# Altium PCB AL1000.PcbDoc (part 8 of 8) (continued)
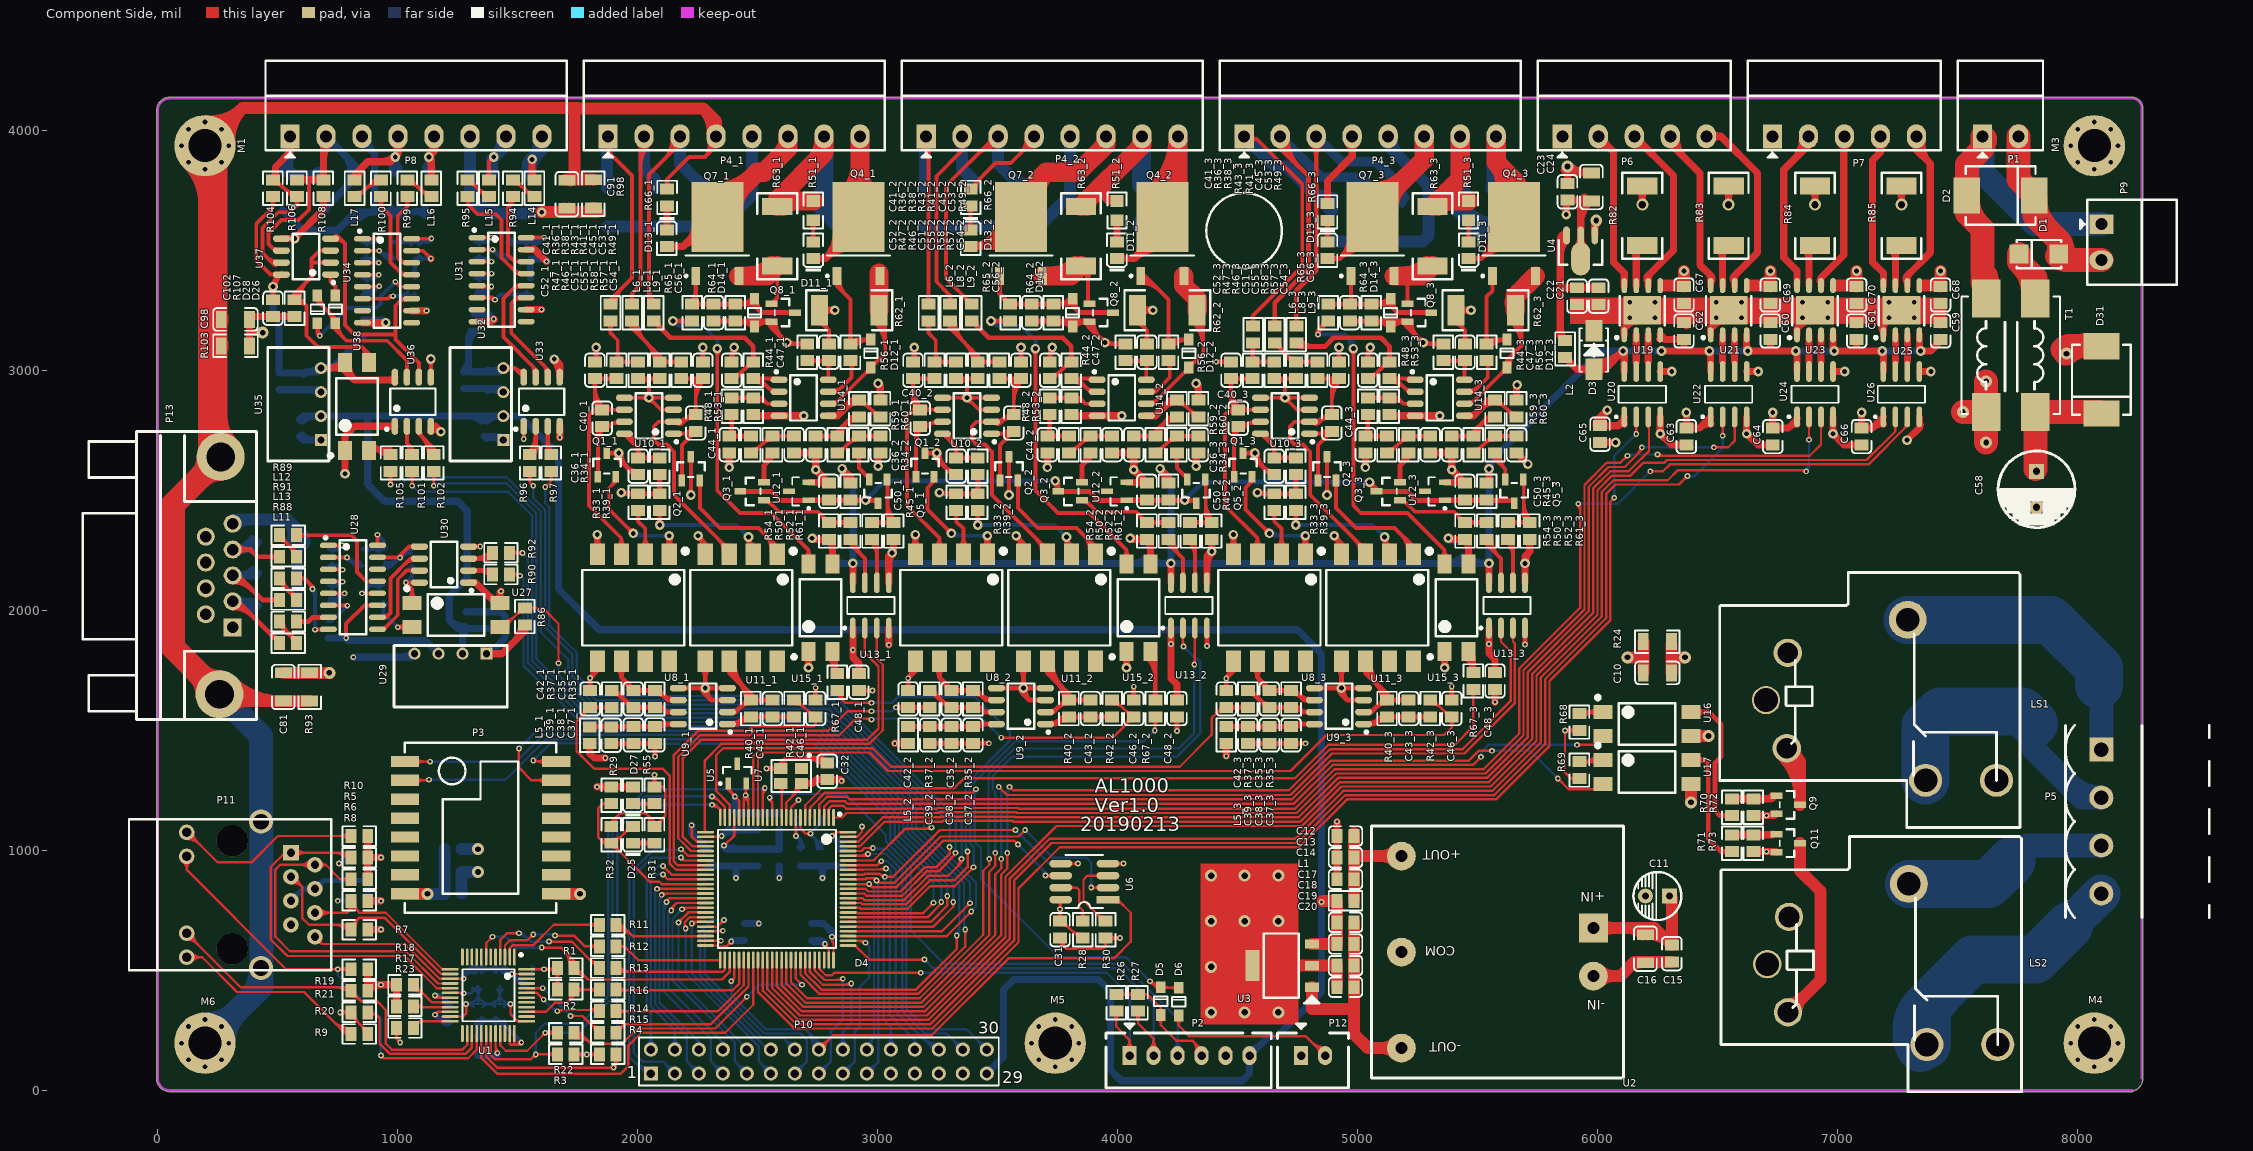
[diagram p0: Component Side view]
## Nets (pads, with @x,y where several pads share a name; then routed paths per layer and width w, separated by ;. In a path a pad name is that pad's centre, name@x,y a point inside that pad or via, vN(x,y) a via of type N, cw(c..) or ccw(c..) an arc to the next point about the centre after c; other vN are vias at no path point) (continued)
  Solder Side w30: C89.2@1275,2995.04 1295,3015.04 1295,3140 C85.1@1320,3165 ; C89.2@1275.56,3000.58 ccw(c1228.64,3047.51) 1295,3047.51 ; C89.2@1295,2995.04 C86.1@1365,2995.04 ; 1295,3100.46 cw(c1378.43,3100.46) C85.1@1319.44,3159.46 ; 1295,3133.66 cw(c1318.9,3133.66) C85.1@1315.13,3157.26 ; 1296.21,3141.21 ccw(c1272.42,3165) C85.1@1306.06,3165 ; C86.1@1370,2995.04 1425.04,2995.04 U32.4@1440,3010 ; C86.1@1375.02,3001.82 ccw(c1388.29,3024.81) 1395.16,2999.17 ; C86.1@1379.74,2995.04 ccw(c1379.74,3070.26) U32.4@1432.93,3017.07
RS5V3: C93.1 C95.1 C96.1 C100.1 C101.2 C102.2 R104.1 U34.16 U35.4 U36.8 U37.8 U38.4 | length 2761.4
  Component Side w16: C102.2@469.51,3305.53 ccw(c444.19,3330.85) 480,3330.85 ccw(c515.81,3330.85) C102.2@490.49,3305.53 ; R104.1@469.51,3714.47 cw(c444.19,3689.15) 480,3689.15 cw(c515.81,3689.15) R104.1@490.49,3714.47 ; v2@471.51,3341.51 cw(c451.03,3321.03) 480,3321.03 cw(c508.97,3321.03) v2@488.49,3341.51 ; v2@471.75,3341.28 cw(c457.77,3326.5) 477.42,3321.24 ; C102.2@480,3295.04 v2(480,3350) v2@480,3364.72 ; R104.1@480,3724.96 480,3680 410,3610 410,3460 470,3400 U37.8@515.28,3400 v2@480,3364.72 ; 482.58,3321.24 cw(c502.23,3326.5) v2@488.25,3341.28 ; 486.44,3375.88 ccw(c499.14,3368.56) v2@488.61,3358.35 ; U37.8@488.12,3398.24 cw(c456.59,3388.13) v2@480,3364.73 ; U37.8@489.54,3395.91 ccw(c479.67,3386.05) 479.67,3400 ccw(c479.67,3413.95) U37.8@489.54,3404.09 ; v2@492,3350 cw(c556.52,3350) U37.8@510.9,3395.62 ; 498.55,3383.27 ccw(c484.68,3397.14) U37.8@503.36,3403.12 ; U37.8@517.09,3401.82 ccw(c512.78,3406.14) U37.8@518.59,3408 ; U36.8@987.99,2972.36 U36.8@987.99,2973.7 ; U34.16@1057.72,3549.41 1139.41,3549.41 v1(1140,3550)
  Component Side w30: U35.4@680,3010 770,3010 820,2960 ; 712.99,3010 ccw(c712.99,3090.24) U38.4@769.73,3033.5 ; U38.4@794.53,3022.98 ccw(c881.52,3021.53) 820,2960 ; 968.51,2960 cw(c968.51,2931.22) U36.8@988.86,2951.57 ; U36.8@987.99,2972.36 975.63,2960 820,2960
  Solder Side w16: C93.1@982.99,3536.38 C96.1@1072.99,3536.38 1126.38,3536.38 v1(1140,3550) ; C93.1@999.58,3525.89 cw(c1024.91,3500.56) 1024.91,3536.38 cw(c1024.91,3572.19) C93.1@999.58,3546.87 ; C96.1@1056.4,3525.89 ccw(c1031.08,3500.56) 1031.08,3536.38 ccw(c1031.08,3572.19) C96.1@1056.4,3546.87 ; C96.1@1089.58,3525.89 cw(c1114.91,3500.56) 1114.91,3536.38 cw(c1114.91,3572.19) C96.1@1089.58,3546.87 ; C96.1@1097.46,3536.38 ccw(c1097.46,3592.54) v1@1137.17,3552.83
  Solder Side w30: v2(480,3350) 480,3250 505,3225 C101.2@505,2990.04 C100.1@595,2990.04 620,2990.04 625,2995.04 ; C100.1@606.64,2984.5 cw(c632.09,2959.05) 632.09,2995.04 ; C100.1@607.63,2985.71 cw(c625,2974.21) 625,2995.04 ; U35.4@672.47,3016.58 cw(c625,3058.11) 625,2995.04 ; 831.21,3116.17 ccw(c807.42,3139.96) C95.1@841.06,3139.96 ; C95.1@855,3139.96 725.04,3010 U35.4@680,3010 665.04,2995.04 625,2995.04
VCC3V3: C1.1 C2.1 C7.1 C8.1 C9.1 C19.2 C20.2 C31.2 C32.2 C48_1.2 C48_2.2 C48_3.2 C57.1 C63.2 C64.2 C65.2 C66.2 C103.2 C104.2 C105.2 D4.11 D4.28 D4.50 D4.75 D4.100 D5.1 D27.A L3.1 L4.2 L5_1.1 L5_2.1 L5_3.1 P2.4 P10.21 P10.23 P11.4 P11.5 R1.2 R2.2 R3.2 R4.2 R5.2 R6.2 R7.2 R8.2 R9.2 R10.2 R17.2 R18.2 R19.2 R20.2 R21.2 R26.2 R27.2 R28.2 R29.1 R68.2 R69.2 U1.22 U1.32 U1.48 U3.2 U3.4 U6.8 U7.4 U13_1.1 U13_2.1 U13_3.1 U15_1.1 U15_2.1 U15_3.1 U20.1 U22.1 U24.1 U26.1 U27.4 U30.1 U33.1 U36.1 U38.1 | length 11392.6
  Component Side w10: v1(760,325) 792.73,325 875.04,242.69 R9.2@875.04,235 ; v1@763.5,318.94 cw(c772.79,302.85) 777.6,320.79 ; v1@763.5,331.06 ccw(c772.79,347.15) 777.6,329.21 ; v1@764.95,320.05 cw(c776.9,308.1) 776.9,325 cw(c776.9,341.9) v1@764.95,329.95 ; v1@766.06,321.5 cw(c779.24,313.89) 775.3,328.59 ; v1@766.06,328.5 ccw(c779.24,336.11) 775.3,321.41 ; R20.2@792.35,312.39 ccw(c761.9,281.94) 761.9,325 ccw(c761.9,368.06) R20.2@792.35,337.61 ; R20.2@804.96,301.06 cw(c804.96,272.8) 824.95,292.78 ; R20.2@812.8,318.9 ccw(c846.5,318.9) 822.67,295.07 ; R20.2@822.8,318.9 ccw(c880.64,318.9) 839.74,277.99 ; 843.47,274.26 cw(c810.31,241.1) R9.2@857.2,241.1 ; 847.31,270.42 ccw(c875.04,298.15) R9.2@875.04,258.94 ; v1(1155,315) 1167.44,327.44 U1.22@1218.54,327.44 ; v1@1155,322 ccw(c1155,338.9) 1166.95,326.95 ccw(c1178.9,315) v1@1162,315 ; 1407.52,165.82 ccw(c1425.82,165.82) v1@1412.88,152.88 ; 1407.52,189.96 ccw(c1449.96,189.96) v1@1419.95,159.95 ; U1.32@1407.52,236.89 1407.52,162.48 v1(1415,155) ; U1.48@1537.44,504.61 1609.61,504.61 v1(1610,505) 1659.96,505 R1.2@1664.96,510 R2.2@1664.96,420 ; 1592.15,504.61 ccw(c1592.15,522.85) v1@1605.05,509.95 ; 1594.05,504.61 cw(c1594.05,489.05) v1@1605.05,500.05 ; v1@1613.5,498.94 cw(c1626.03,477.23) 1632.52,501.44 ; v1@1614.95,500.05 cw(c1626.9,488.1) 1626.9,505 cw(c1626.9,521.9) v1@1614.95,509.95 ; v1@1619.24,505 cw(c1619.24,458.18) 1652.35,491.29 cw(c1621.9,460.84) 1664.96,460.84 cw(c1708.02,460.84) R1.2@1677.57,491.29 ; 1624.57,505 ccw(c1624.57,544.29) R1.2@1652.35,516.51 ; R2.2@1652.35,438.71 ccw(c1621.9,469.16) 1664.96,469.16 ccw(c1708.02,469.16) R2.2@1677.57,438.71 ; R3.2@1735.04,150 v1(1787.5,150) R4.2@1839.96,150 ; R3.2@1747.65,137.39 cw(c1778.1,106.94) 1778.1,150 cw(c1778.1,193.06) R3.2@1747.65,162.61 ; 1764.87,146.46 cw(c1771.4,122.11) v1@1784,143.94 ; 1764.87,153.54 ccw(c1771.4,177.89) v1@1784,156.06 ; v1@1782.55,145.05 ccw(c1770.6,133.1) 1770.6,150 ccw(c1770.6,166.9) v1@1782.55,154.95 ; v1@1791,143.94 cw(c1803.6,122.11) 1810.13,146.46 ; v1@1791,156.06 ccw(c1803.6,177.89) 1810.13,153.54 ; v1@1792.45,145.05 cw(c1804.4,133.1) 1804.4,150 cw(c1804.4,166.9) v1@1792.45,154.95 ; R4.2@1827.35,137.39 ccw(c1796.9,106.94) 1796.9,150 ccw(c1796.9,193.06) R4.2@1827.35,162.61 ; v1@2220.05,1100.05 cw(c2208.1,1088.1) 2225,1088.1 cw(c2241.9,1088.1) v1@2229.95,1100.05 ; v1(2225,1105) 2225,1058.19 2246.34,1036.85 D4.28@2282.76,1036.85 ; 2240.87,1042.32 ccw(c2252.83,1054.28) D4.28@2252.83,1037.36 ; D4.50@2282.76,603.78 2330.87,603.78 2336.18,598.46 2356.89,598.46 2358.43,600 2370,600 v1(2390,620) ; v1@2383,620 cw(c2366.1,620) 2378.05,608.05 cw(c2390,596.1) v1@2390,613 ; D4.11@2619.37,1137.24 2619.37,1199.37 2683.31,1263.31 U7.4@2683.31,1278.5 ; 2634.05,1214.05 ccw(c2569.6,1278.5) U7.4@2660.75,1278.5 ; 2651.12,1231.12 ccw(c2603.74,1278.5) U7.4@2670.75,1278.5 ; 2668.19,1248.19 ccw(c2637.88,1278.5) U7.4@2680.75,1278.5 ; v1@2805.05,635.05 cw(c2793.1,623.1) 2810,623.1 cw(c2826.9,623.1) v1@2814.95,635.05 ; v1(2810,640) 2810,620 2816.22,613.78 D4.75@2816.22,542.76 ; v1(2810,1060) 2826.22,1076.22 D4.100@2877.24,1076.22 ; v1@2810,1067 ccw(c2810,1083.9) 2821.95,1071.95 ccw(c2833.9,1060) v1@2817,1060 ; C31.2@3747.39,717.65 ccw(c3716.94,748.1) 3760,748.1 ccw(c3803.06,748.1) C31.2@3772.61,717.65 ; v1@3753.94,751.5 cw(c3734.02,740) 3756.24,734.05 ; v1@3755.05,750.05 cw(c3743.1,738.1) 3760,738.1 cw(c3776.9,738.1) v1@3764.95,750.05 ; v1@3755.05,759.95 ccw(c3743.1,771.9) 3760,771.9 ccw(c3776.9,771.9) v1@3764.95,759.95 ; U6.8@3755.55,787.4 cw(c3744.81,776.66) 3760,776.66 ; v1@3756.5,748.94 cw(c3751.1,739.59) 3761.53,742.38 ; v1@3756.5,761.06 ccw(c3750.9,770.76) 3761.72,767.86 ; 3758.47,742.38 cw(c3768.9,739.59) v1@3763.5,748.94 ; v1@3760,761.45 cw(c3796.7,761.45) U6.8@3770.75,787.4 ; U6.8@3763.15,795 3760,791.85 v1(3760,755) C31.2@3760,705.04 3769.96,705.04 3840.08,634.92 R28.2@3855,634.92 ; 3763.76,734.05 cw(c3785.98,740) v1@3766.06,751.5 ; 3763.8,775.65 ccw(c3785.63,769.8) v1@3766.06,758.5 ; C31.2@3766.1,687.2 cw(c3766.1,634.83) 3803.13,671.87 ; C31.2@3766.1,697.2 cw(c3766.1,668.98) C31.2@3786.06,688.94 ; C31.2@3783.94,705.04 ccw(c3817.68,705.04) 3793.82,681.18 ; 3803.4,671.6 ccw(c3848.9,717.1) R28.2@3848.9,652.76 ; 3820.47,654.53 ccw(c3848.9,682.96) R28.2@3848.9,642.76 ; 3824.69,650.31 cw(c3809.3,634.92) R28.2@3831.06,634.92 ; R26.2@3995,400.04 R27.2@4085,400.04 4124.96,400.04 ; R26.2@4013.71,387.43 cw(c4044.16,356.98) 4044.16,400.04 cw(c4044.16,443.1) R26.2@4013.71,412.65 ; R27.2@4066.29,387.43 ccw(c4035.84,356.98) 4035.84,400.04 ccw(c4035.84,443.1) R27.2@4066.29,412.65 ; R27.2@4105.81,389.95 cw(c4124.96,376.82) 4124.96,400.04 ; R27.2@4105.81,410.13 ccw(c4124.96,423.26) 4124.96,400.04 ; D5.1@4169.62,298.55 cw(c4144.55,273.48) 4180,273.48 cw(c4215.45,273.48) D5.1@4190.38,298.55 ; D5.1@4172.33,331.3 ccw(c4163.94,345) 4180,345 ; D5.1@4187.67,331.3 cw(c4196.06,345) 4180,345 ; 4325.65,194.35 cw(c4298.44,167.14) P2.4@4335.87,158.21 ; P2.4@4326.14,160.53 ccw(c4278.02,172.01) 4313,207 ; 4334,186 ccw(c4350,201.99) P2.4@4350,179.37 ; P2.4@4350,145 4350,170 4313,207 ; v1@5860.01,1495.01 cw(c5848.06,1483.06) 5864.96,1483.06 cw(c5881.86,1483.06) 5869.91,1495.01 cw(c5881.86,1483.06) 5881.86,1499.96 cw(c5881.86,1516.86) v1@5869.91,1504.91 ; v1@5868.46,1493.9 cw(c5881.72,1470.94) 5888.58,1496.55 ; v1@5868.46,1506.02 ccw(c5881.72,1528.98) 5888.58,1503.37 ; R69.2@5902.95,1291.98 ccw(c5890.04,1285.53) 5890.04,1299.96 ; R69.2@5902.95,1307.94 cw(c5890.04,1314.39) 5890.04,1299.96 ; R68.2@5906.29,1487.35 ccw(c5875.84,1456.9) 5875.84,1499.96 ccw(c5875.84,1543.02) R68.2@5906.29,1512.57 ; R69.2@5925,1299.96 5890.04,1299.96 ; R68.2@5925,1499.96 v1(5864.96,1499.96) 5864.96,1325.04 5890.04,1299.96 ; 4124.96,400.04 4180,345 ; 4180,345 D5.1@4180,313.86 4180,272 4245,207 4313,207
  Component Side w16: U33.1@1520.91,2741.9 cw(c1511.05,2732.03) 1525,2732.03 cw(c1538.95,2732.03) U33.1@1529.09,2741.9 ; v1(1525,2715) U33.1@1525,2767.64
  Component Side w20: U15_1.1@2697.96,1804.7 cw(c2664.63,1771.36) 2711.77,1771.36 cw(c2758.92,1771.36) U15_1.1@2725.58,1804.7 ; v2@2703.21,1766.58 ccw(c2676.66,1782.6) U15_1.1@2706.61,1790.63 ; v2@2704.7,1768.49 ccw(c2687.63,1785.56) 2711.77,1785.56 ccw(c2735.91,1785.56) v2@2718.84,1768.49 ; v2(2711.77,1761.42) U15_1.1@2711.77,1828.35 ; U15_1.1@2716.93,1790.63 ccw(c2746.88,1782.6) v2@2720.33,1766.58 ; U15_2.1@4023.55,1804.7 cw(c3990.22,1771.36) 4037.36,1771.36 cw(c4084.51,1771.36) U15_2.1@4051.17,1804.7 ; v2@4028.8,1766.58 ccw(c4002.25,1782.6) U15_2.1@4032.2,1790.63 ; v2@4030.29,1768.49 ccw(c4013.22,1785.56) 4037.36,1785.56 ccw(c4061.5,1785.56) v2@4044.43,1768.49 ; v2(4037.36,1761.42) U15_2.1@4037.36,1828.35 ; U15_2.1@4042.52,1790.63 ccw(c4072.48,1782.6) v2@4045.92,1766.58 ; U15_3.1@5349.14,1804.7 cw(c5315.81,1771.36) 5362.95,1771.36 cw(c5410.1,1771.36) U15_3.1@5376.76,1804.7 ; v2@5354.39,1766.58 ccw(c5327.84,1782.6) U15_3.1@5357.79,1790.63 ; v2@5355.88,1768.49 ccw(c5338.81,1785.56) 5362.95,1785.56 ccw(c5387.09,1785.56) v2@5370.02,1768.49 ; v2(5362.95,1761.42) U15_3.1@5362.95,1828.35 ; U15_3.1@5368.11,1790.63 ccw(c5398.07,1782.6) v2@5371.52,1766.58
  Component Side w30: U38.1@769.73,2646.81 cw(c744.93,2622.01) 780,2622.01 cw(c815.07,2622.01) U38.1@790.27,2646.81 ; U38.1@769.73,2687.04 ccw(c744.93,2711.84) 780,2711.84 ccw(c815.07,2711.84) U38.1@790.27,2687.04 ; v2(780,2570) U38.1@780,2666.93 780,2727.64 820,2767.64 U36.1@987.99,2767.64 ; R21.2@875.04,415 R19.2@875.04,505 ; R7.2@875.04,670 v1(930,670) ; R8.2@875.04,790 v1(930,790) ; R6.2@875.04,880 R5.2@875.04,970 ; R10.2@875.04,1060 R5.2@875.04,970 ; R21.2@881.2,416.27 cw(c930,377.98) v1(930,440) ; R21.2@895.04,440 v1(930,440) ; v1(930,970) R5.2@875.04,970 ; R17.2@994.96,350 R18.2@994.96,440 v1(930,440) ; U30.1@1295.35,2116.34 1323.66,2116.34 1408.66,2031.34 U27.4@1426.06,2031.34 1426.06,2076.06 v1(1430,2080) ; 1378.52,2061.48 ccw(c1416.22,2099.19) U27.4@1416.22,2045.87 ; U27.4@1415.79,2041.61 ccw(c1390.99,2066.41) 1426.06,2066.41 ccw(c1461.14,2066.41) U27.4@1436.34,2041.61 ; L5_1.1@1800,1444.96 1800,1405 1820,1385 v1(1865,1385) ; v1(1830.04,1265.04) R29.1@1890,1265.04 ; R29.1@1910.04,1265.04 D27.A@1980,1265.04 ; U7.4@2683.31,1278.5 2728.5,1278.5 2745,1295 2789.96,1295 C32.2@2790,1294.96 2845.04,1294.96 v1(2850,1290) ; U13_1.1@2896.77,1926.93 v1(2896.77,1835) 2896.77,1805 2921.77,1780 C48_1.2@2921.77,1736.46 ; v1(3071.38,1446.38) L5_2.1@3127.36,1446.38 ; U13_2.1@4222.36,1926.93 v1(4222.36,1860) 4222.36,1717.64 4247.36,1692.64 C48_2.2@4247.36,1626.46 ; v1(4452.95,1392.95) L5_3.1@4452.95,1446.38 ; U13_3.1@5547.95,1926.93 v1(5547.95,1860) 5547.95,1822.05 5572.95,1797.05 C48_3.2@5572.95,1741.46 ; C65.2@5995.48,2764 cw(c6029.71,2773.69) 6004.56,2798.85 ; C65.2@6024.35,2772.17 cw(c6086.06,2789.65) v2(6040.71,2835) 6010.71,2805 C65.2@6010.71,2770.04 6085.75,2770.04 ; U20.1@6111.77,2806.89 6110.71,2805.83 6110.71,2795 6085.75,2770.04 ; U20.1@6112.3,2778.54 ccw(c6107.27,2748.51) 6085.75,2770.04 ; v2(6370.71,2825) C63.2@6370.71,2760.04 6424.92,2760.04 ; U22.1@6471.77,2806.89 6424.92,2760.04 ; U22.1@6471.88,2778.58 ccw(c6469.77,2715.2) 6424.92,2760.04 ; v2(6730.71,2825) C64.2@6730.71,2760.04 6795.75,2760.04 6831.77,2796.06 U24.1@6831.77,2806.89 ; 6801.93,2766.22 cw(c6831.77,2736.38) U24.1@6831.77,2778.58 ; v2(7100.71,2825) C66.2@7100.71,2760.04 7144.92,2760.04 ; U26.1@7191.77,2806.89 7144.92,2760.04 ; U26.1@7191.88,2778.58 ccw(c7189.77,2715.2) 7144.92,2760.04
  Component Side w50: U3.4@4562,520 U3.2@4810,520 C19.2@4914.96,520 C20.2@4914.96,430
  Solder Side w10: C9.1@1540,505.04 v1(1610,505) v1(1610,505) ; C9.1@1558.71,492.43 cw(c1589.16,461.98) 1589.16,505.04 cw(c1589.16,548.1) C9.1@1558.71,517.65 ; 1593.01,505.04 cw(c1593.01,488.01) v1@1605.05,500.05 ; 1593.2,505.04 ccw(c1593.2,521.8) v1@1605.05,509.95 ; C103.2@2287.5,1002.54 C103.2@2290,1000.04
  Solder Side w20: P11.5@555,790 605,840 ; P11.5@555,812.5 ccw(c555,866.82) 593.41,828.41 ccw(c631.82,790) P11.5@577.5,790 ; P11.4@638.16,825.08 ccw(c605,795.7) 605,840 ; P11.4@638.16,854.92 cw(c605,884.3) 605,840 ; P11.4@656.53,862.45 ccw(c659.46,905.54) 690,875 ; P11.4@677.45,841.53 cw(c720.54,844.46) 690,875 ; 875.04,880 870.04,875 690,875 ; 1181.76,288.24 ccw(c1208.26,314.75) C8.1@1215.23,277.92 ; C8.1@1204.37,276.37 ccw(c1185.04,258.94) 1185.04,284.96 ; C8.1@1204.37,293.56 cw(c1185.04,310.98) 1185.04,284.96 ; C8.1@1211.51,297.57 cw(c1199.74,359.74) v1(1155,315) 1185.04,284.96 ; C8.1@1220,284.96 1185.04,284.96 ; 605,840 P11.4@655,840 690,875
  Solder Side w30: v1(930,790) C1.1@875.04,790 875.04,880 C2.1@875.04,970 v1(930,970) ; C7.1@1335,144.96 1404.96,144.96 v1(1415,155) ; 1398.01,144.96 ccw(c1398.01,171.99) v1@1417.12,152.88 ; v1(2225,1105) 2225,1070.04 C103.2@2290,1005.04 ; 2266.21,1028.83 cw(c2242.42,1005.04) C103.2@2276.06,1005.04 ; v1(2390,620) 2394.96,624.96 C57.1@2445,624.96 ; v1(2590,885) L3.1@2590,934.96 ; C104.2@2725,695.04 2774.96,695.04 2810,660 ; 2800.98,669.02 cw(c2771.96,640) v1@2813,640 ; v1(2810,640) 2810,660 ; v1(2810,1060) 2860,1010 C105.2@2860,1005.04 ; v1@2812.56,638.43 ccw(c2797.59,647.59) 2810,660 ; 2832.7,1037.3 cw(c2800.44,1005.04) C105.2@2846.06,1005.04
  Solder Side w50: L4.2@1265.04,1005 v3(1335,1005)
  other v4: 4390,325 4530,325 4670,325 4390,515 4390,705 4530,705 4670,705 4390,895 4530,895 4670,895
VCC5V: C17.2 C18.2 C76.2 C77.1 C87.1 C99.1 L1.2 P2.6 P10.29 U3.3 U29.2 U32.2 U35.2 | length 11058.4
  Component Side w50: U3.3@4810,610 C18.2@4914.96,610 C17.2@4914.96,700 L1.2@4914.96,790 v1@4855,790
  Solder Side w30: C99.1@590,2795.04 604.96,2810 U35.2@680,2810 680.64,2810.64 875,2810.64 ; C99.1@601.64,2789.5 cw(c651.13,2740.01) 651.13,2810 ; U35.2@687.07,2802.93 cw(c705.68,2784.32) 705.68,2810.64 ; 1216.26,1958.74 ccw(c1278.9,2021.38) C76.2@1278.9,1932.8 ; U29.2@1270,1820 1270,1909.96 C76.2@1285,1924.96 ; 1270,1884.57 cw(c1319.29,1884.57) C76.2@1284.44,1919.42 ; 1297.33,2810.64 cw(c1297.33,2738.47) C87.1@1348.36,2789.5 ; C87.1@1371.64,2789.5 cw(c1422.67,2738.47) U32.2@1422.67,2810.64 ; C77.1@1375,1924.96 C76.2@1285,1924.96 ; 1414.32,2810.64 cw(c1414.32,2784.32) U32.2@1432.93,2802.93 ; U32.2@1447.07,2802.93 cw(c1465.68,2784.32) 1465.68,2810.64 ; P10.29@3455,70 3525,140 3525,420 3567.22,462.22 3920,462.22 3970,412.22 3970,85 4015,40 4520,40 4550,70 P2.6@4550,145 4630,225 4665,225 4850,410 v1(4850,785) 4850,1820 4750,1920 1840,1920 1670,2090 1670,2650.64 1510,2810.64 875,2810.64 ; P10.29@3455,84.53 ccw(c3455,119.6) 3479.8,94.8 ccw(c3504.6,70) P10.29@3469.53,70 ; P2.6@4539.73,124.89 cw(c4514.93,100.09) 4550,100.09 cw(c4585.07,100.09) P2.6@4560.27,124.89 ; P2.6@4550,169.37 ccw(c4550,228.2) 4591.6,186.6 ; 875,2810.64 875,2525 945,2455 1250,2455 1290,2415 1290,2135 1215,2060 1215,1960 1250.04,1924.96 C76.2@1285,1924.96
VDDA: C27.2 C28.1 D4.22 L3.2 R25.1 | length 580.9
  Component Side w10: v1(2360,1020) 2402.83,1062.83 D4.22@2402.83,1137.24 ; v1@2360,1027 ccw(c2360,1043.9) 2371.95,1031.95 ccw(c2383.9,1020) v1@2367,1020
  Solder Side w30: v1@2357.07,1019.34 ccw(c2374.96,1023.38) 2374.96,1005.04 ; v1@2357.88,1017.88 ccw(c2388.88,1048.88) C28.1@2388.88,1005.04 ; C28.1@2400.78,1012.23 cw(c2386.11,1046.1) v1(2360,1020) 2374.96,1005.04 ; R25.1@2590,1084.96 L3.2@2590,1005.04 C27.2@2500,1005.04 C28.1@2410,1005.04 2374.96,1005.04
VREF: C25.2 C26.1 D4.21 R25.2 U5.1 | length 555.5
  Component Side w10: U5.1@2373.91,1259.15 cw(c2369.57,1252.4) 2377.6,1252.4 ; U5.1@2374.41,1264.88 ccw(c2396.84,1264.88) 2380.98,1249.02 ; U5.1@2377.6,1278.66 2377.6,1252.4 ; U5.1@2381.28,1259.15 ccw(c2385.63,1252.4) 2377.6,1252.4 ; U5.1@2384.41,1264.88 ccw(c2430.98,1264.88) v1@2398.05,1231.95 ; 2391.28,1243.68 ccw(c2413.43,1256.47) v1@2406.81,1231.76 ; v1@2398,1225 ccw(c2381.1,1225) 2393.05,1236.95 ccw(c2405,1248.9) v1@2405,1232 ; v1@2405,1218 cw(c2405,1201.1) 2416.95,1213.05 cw(c2428.9,1225) v1@2412,1225 ; D4.21@2422.52,1137.24 2422.52,1207.48 v1(2405,1225) 2377.6,1252.4
  Solder Side w30: v1(2405,1225) 2405,1160.04 C26.1@2410,1155.04 C25.2@2500,1155.04 R25.2@2590,1155.04
pads on no net: D4.13 D4.73 LS1.2 LS1.6 LS2.2 LS2.6 P3.3 P3.4 P3.5 P3.6 P3.7 P3.10 P3.11 P3.12 P3.13 P3.14 P11.7 P11.A P11.B P13.1 P13.6 P13.7 P13.8 P13.9 U1.1 U1.5 U1.6 U1.8 U1.9 U1.10 U1.11 U1.12 U1.25 U1.34 U1.38 U1.40 U1.41 U1.42 U1.45 U1.46 U5.3 U7.1 U8_1.7 U8_1.8 U8_2.7 U8_2.8 U8_3.7 U8_3.8 U11_1.7 U11_1.8 U11_2.7 U11_2.8 U11_3.7 U11_3.8 U12_1.3 U12_2.3 U12_3.3 U28.14 U31.7 U31.9 U34.7 U34.9

## Polygon pours and split planes (outlines as drawn)
GRS2 on Ground Plane (split plane): 1689.92,2885.08 1255.08,2885.08 1255.08,4118.78 1689.92,4118.78
GRS3 on Ground Plane (split plane): 1204.92,2885.08 480.39,2885.08 385.08,2980.39 385.08,3685 420,3685 420,4118.78 1204.92,4118.78
GND24V on Ground Plane (split plane): 7500,3220 8252.63,3220 8252.63,2275 6976.38,2275 6976.38,15.08 5630.08,15.08 5630.08,819.26 5735.41,924.59 6285.41,1474.59 6289.15,1478.78 6292.4,1483.36 6295.12,1488.27 6297.27,1493.46 6298.38,1497.3 6298.82,1498.86 6299.76,1504.39 6300.08,1510 6300.08,2234.26 6520.74,2454.92 7220,2454.92 7225.61,2455.24 7231.14,2456.18 7236.54,2457.73 7241.73,2459.88 7246.64,2462.6 7251.22,2465.85 7255.41,2469.59 7431.55,2645.73 7435.3,2649.92 7438.54,2654.5 7441.26,2659.41 7443.41,2664.6 7444.97,2670 7445.91,2675.53 7446.22,2681.14 7446.22,2857.52 7445.91,2863.13 7444.97,2868.66 7444.52,2870.22 7443.41,2874.06 7441.26,2879.25 7438.54,2884.16 7435.3,2888.74 7431.55,2892.93 7379.07,2945.41 7374.89,2949.15 7370.31,2952.4 7365.39,2955.12 7360.2,2957.27 7354.81,2958.82 7349.27,2959.76 7343.66,2960.08 5960,2960.08 5954.39,2959.76 5948.86,2958.82 5943.46,2957.27 5938.27,2955.12 5933.36,2952.4 5928.78,2949.15 5924.59,2945.41 5784.59,2805.41 5780.85,2801.22 5777.6,2796.64 5774.88,2791.73 5772.73,2786.54 5771.18,2781.14 5770.24,2775.61 5769.92,2770 5769.92,2180.74 5650.63,2061.46 1899.37,2061.46 1790.08,2170.74 1790.08,4118.78 7500,4118.78
GRS1 on Ground Plane (split plane): 464.92,2565 465.23,2561.08 466.15,2557.25 467.66,2553.62 469.71,2550.26 472.27,2547.27 647.27,2372.27 650.26,2369.71 653.62,2367.66 655.12,2367.03 657.25,2366.15 660.16,2365.45 661.08,2365.23 665,2364.92 1194.92,2364.92 1194.92,2310 1194.92,1620.08 590,1620.08 586.08,1619.77 585.16,1619.55 582.25,1618.85 580.12,1617.97 578.62,1617.34 575.26,1615.29 573.88,1614.11 572.27,1612.73 434.61,1475.08 15.08,1475.08 15.08,2834.92 464.92,2834.92
GND on Ground Plane (split plane): 334.92,2970 335.23,2966.08 336.15,2962.25 337.66,2958.62 339.71,2955.26 342.27,2952.27 409.46,2885.08 15.08,2885.08 15.08,3685 334.92,3685
GND on Ground Plane (split plane): 7346.06,2836.78 7346.06,2701.89 7199.26,2555.08 6500,2555.08 6494.39,2554.76 6488.86,2553.82 6483.46,2552.27 6478.27,2550.12 6473.36,2547.4 6468.78,2544.15 6464.59,2540.41 6214.59,2290.41 6210.85,2286.22 6207.6,2281.64 6204.88,2276.73 6202.73,2271.54 6201.18,2266.14 6200.24,2260.61 6199.92,2255 6199.92,1530.74 5664.59,995.41 5544.59,875.41 5540.85,871.22 5537.6,866.64 5534.88,861.73 5532.73,856.54 5531.18,851.14 5530.24,845.61 5529.92,840 5529.92,15.08 730,15.08 730,1265 15.08,1265 15.08,1424.92 445,1424.92 448.92,1425.23 452.75,1426.15 456.38,1427.66 459.74,1429.71 462.73,1432.27 600.39,1569.92 1220,1569.92 1223.92,1570.23 1227.75,1571.15 1231.38,1572.66 1234.74,1574.71 1237.73,1577.27 1240.29,1580.26 1242.34,1583.62 1243.85,1587.25 1244.77,1591.08 1245.08,1595 1245.08,2310 1245.08,2390 1244.77,2393.92 1243.85,2397.75 1242.34,2401.38 1240.29,2404.74 1237.73,2407.73 1234.74,2410.29 1231.38,2412.34 1227.75,2413.85 1223.92,2414.77 1220,2415.08 675.39,2415.08 515.08,2575.39 515.08,2834.92 1689.92,2834.92 1689.92,2150 1690.24,2144.39 1691.18,2138.86 1692.73,2133.46 1694.88,2128.27 1697.6,2123.36 1700.85,2118.78 1704.59,2114.59 1708.29,2111.28 1711.6,2107.58 1843.21,1975.97 1847.4,1972.22 1851.98,1968.98 1856.89,1966.26 1862.08,1964.11 1867.48,1962.55 1872.21,1961.75 1873.01,1961.61 1878.62,1961.3 5671.38,1961.3 5676.99,1961.61 5682.52,1962.55 5687.92,1964.11 5693.11,1966.26 5698.02,1968.98 5702.6,1972.22 5706.79,1975.97 5855.41,2124.59 5859.15,2128.78 5862.4,2133.36 5865.12,2138.27 5867.27,2143.46 5868.82,2148.86 5869.63,2153.59 5869.76,2154.39 5870.08,2160 5870.08,2749.26 5980.74,2859.92 7322.92,2859.92
RS5V2 on Power Plane (split plane): 1689.92,2885.08 1255.08,2885.08 1255.08,4118.78 1689.92,4118.78
RS5V3 on Power Plane (split plane): 1204.92,2885.08 480.39,2885.08 385.08,2980.39 385.08,3685 420,3685 420,4118.78 1204.92,4118.78
24V+ on Power Plane (split plane): 7500,3220 8252.63,3220 8252.63,2275 6976.38,2275 6976.38,15.08 5630.08,15.08 5630.08,819.26 6065.41,1254.59 6283.95,1473.13 6287.7,1477.32 6290.95,1481.9 6293.66,1486.81 6295.81,1492 6297.37,1497.4 6298.17,1502.13 6298.31,1502.94 6298.62,1508.54 6298.62,2232.8 6520.74,2454.92 7220,2454.92 7225.61,2455.24 7231.14,2456.18 7236.54,2457.73 7241.73,2459.88 7246.64,2462.6 7251.22,2465.85 7255.41,2469.59 7431.55,2645.73 7435.3,2649.92 7438.54,2654.5 7441.26,2659.41 7443.41,2664.6 7444.97,2670 7445.91,2675.53 7446.22,2681.14 7446.22,2857.52 7445.91,2863.13 7444.97,2868.66 7444.52,2870.22 7443.41,2874.06 7441.26,2879.25 7438.54,2884.16 7435.3,2888.74 7431.55,2892.93 7379.07,2945.41 7374.89,2949.15 7370.31,2952.4 7365.39,2955.12 7360.2,2957.27 7354.81,2958.82 7349.27,2959.76 7343.66,2960.08 5960,2960.08 5954.39,2959.76 5948.86,2958.82 5943.46,2957.27 5938.27,2955.12 5933.36,2952.4 5928.78,2949.15 5924.59,2945.41 5784.59,2805.41 5780.85,2801.22 5777.6,2796.64 5774.88,2791.73 5772.73,2786.54 5771.18,2781.14 5770.24,2775.61 5769.92,2770 5769.92,2180.74 5650.63,2061.46 1899.37,2061.46 1790.08,2170.74 1790.08,4118.78 7500,4118.78
RS5V1 on Power Plane (split plane): 464.92,2565 465.23,2561.08 466.15,2557.25 467.66,2553.62 469.71,2550.26 472.27,2547.27 647.27,2372.27 650.26,2369.71 653.62,2367.66 655.12,2367.03 657.25,2366.15 660.16,2365.45 661.08,2365.23 665,2364.92 1194.92,2364.92 1194.92,2310 1194.92,1620.08 590,1620.08 586.08,1619.77 585.16,1619.55 582.25,1618.85 580.12,1617.97 578.62,1617.34 575.26,1615.29 573.88,1614.11 572.27,1612.73 434.61,1475.08 15.08,1475.08 15.08,2834.92 464.92,2834.92
VCC3V3 on Power Plane (split plane): 334.92,2970 335.23,2966.08 336.15,2962.25 337.66,2958.62 339.71,2955.26 342.27,2952.27 409.46,2885.08 15.08,2885.08 15.08,3685 334.92,3685
VCC3V3 on Power Plane (split plane): 7346.06,2836.78 7346.06,2701.89 7199.26,2555.08 6500,2555.08 6494.39,2554.76 6488.86,2553.82 6483.46,2552.27 6478.27,2550.12 6473.36,2547.4 6468.78,2544.15 6464.59,2540.41 6213.13,2288.95 6209.39,2284.77 6206.14,2280.19 6203.42,2275.27 6201.27,2270.08 6199.72,2264.69 6198.78,2259.15 6198.46,2253.54 6198.46,1529.29 5994.59,1325.41 5544.59,875.41 5540.85,871.22 5537.6,866.64 5534.88,861.73 5532.73,856.54 5531.18,851.14 5530.24,845.61 5529.92,840 5529.92,15.08 730,15.08 730,1265 15.08,1265 15.08,1424.92 445,1424.92 448.92,1425.23 452.75,1426.15 456.38,1427.66 459.74,1429.71 462.73,1432.27 600.39,1569.92 1220,1569.92 1223.92,1570.23 1227.75,1571.15 1231.38,1572.66 1234.74,1574.71 1237.73,1577.27 1240.29,1580.26 1242.34,1583.62 1243.85,1587.25 1244.77,1591.08 1245.08,1595 1245.08,2310 1245.08,2390 1244.77,2393.92 1243.85,2397.75 1242.34,2401.38 1240.29,2404.74 1237.73,2407.73 1234.74,2410.29 1231.38,2412.34 1227.75,2413.85 1223.92,2414.77 1220,2415.08 675.39,2415.08 515.08,2575.39 515.08,2834.92 1689.92,2834.92 1689.92,2150 1690.24,2144.39 1691.18,2138.86 1692.73,2133.46 1694.88,2128.27 1697.6,2123.36 1700.85,2118.78 1704.59,2114.59 1843.21,1975.97 1847.4,1972.22 1851.98,1968.98 1856.89,1966.26 1862.08,1964.11 1867.48,1962.55 1873.01,1961.61 1878.62,1961.3 5671.38,1961.3 5676.99,1961.61 5682.52,1962.55 5687.92,1964.11 5693.11,1966.26 5698.02,1968.98 5702.6,1972.22 5706.79,1975.97 5855.41,2124.59 5859.15,2128.78 5862.4,2133.36 5865.12,2138.27 5867.27,2143.46 5868.82,2148.86 5869.63,2153.59 5869.76,2154.39 5870.08,2160 5870.08,2749.26 5980.74,2859.92 7322.92,2859.92

## Keep-outs
Keep-Out Layer:
  lines w10: 0,39.37 0,4083.86 cw(c50,4083.86) 50,4133.86 8228.35,4133.86 cw(c8228.35,4094.49) 8267.72,4094.49 8267.72,50 ; 0,50 ccw(c50,50) 50,0 8228.35,0

## Other copper
Component Side:
  rectangle net GND24V: 5885,3195 7455,3305
  rectangle net VCC3V3: 4345,275 4755,945
Ground Plane (plane layer: these items are gaps in the copper):
  rectangle: 0,3685 420,4140
  rectangle: 0,0 730,1265
  rectangle: 7500,3220 8260,4130
  rectangle: 6976.38,-10 8272.73,2275
  lines w50: -5.01,1450 445,1450 590,1595 1220,1595 1220,2310 1220,2390 665,2390 490,2565 490,2860 ; -5.01,2860 470,2860 ; 360,4133.86 360,2970 470,2860 ; 1230,2860 1230,4133.86 ; 1740,2860 1260,2860 470,2860
  lines w100: 1740,2150 1740,4133.86 ; 1747.01,2142.99 1878.62,2011.38 5671.38,2011.38 5820,2160 5820,2770 5960,2910 7343.66,2910 7396.14,2857.52 7396.14,2681.14 7220,2505 6500,2505 6250,2255 6250,1510 5700,960 5580,840 5580,0
Power Plane (plane layer: these items are gaps in the copper):
  rectangle: 0,3685 420,4140
  rectangle: 0,0 730,1265
  rectangle: 6976.38,-10 8272.73,2275
  rectangle: 7500,3220 8260,4130
  lines w50: 0,1450 445,1450 590,1595 1220,1595 1220,2310 1220,2390 665,2390 490,2565 490,2860 0,2860 ; 360,4133.86 360,2970 470,2860 1260,2860 1740,2860 ; 1230,2860 1230,4133.86
  lines w100: 1740,4133.86 1740,2150 1878.62,2011.38 5671.38,2011.38 5820,2160 5820,2770 5960,2910 7343.66,2910 7396.14,2857.52 7396.14,2681.14 7220,2505 6710.39,2505 6500,2505 6248.54,2253.54 6248.54,1508.54 6030,1290 5580,840 5580,0

## Silkscreen, mask and mechanical layers (free items; w line width, h text height)
Top Overlay:
  circle w10: c4527.56,3582.68 r157.48
  text "AL1000" at 3905,1240 h60
  text "Ver1.0" at 3905,1160 h60
  text "20190213" at 3845,1080 h60
Mechanical 1:
  circle w10: c4527.56,3582.68 r78.74

## Dimensions
50,4133.86 to 50,0 on Top Overlay
0,4083.86 to 8267.72,4094.49 on Top Overlay

## Text inside footprints (layer, text, board x,y; h text height)
P10: Top Overlay "1" at 1955,50 h50; Top Overlay "29" at 3520,30 h50; Top Overlay "30" at 3420,235 h50
U2: Top Overlay "+OUT" at 5432.99,1001.32 h40 r180; Top Overlay "-OUT" at 5432.99,201.32 h40 r180; Top Overlay "COM" at 5407.99,601.32 h40 r180; Top Overlay "+IN" at 6032.99,826.32 h40 r180; Top Overlay "-IN" at 6032.99,376.32 h40 r180